# Altium PCB IRVT-001.PcbDoc (part 2 of 4)
Units mm, origin at the board's own origin, x right, y up, seen from the top; angles counter-clockwise.
Board outline 180 x 180 mm, 4 copper layers (Top Layer, Ground Plane, Power & Signal, Bottom Layer), stack 1.397 mm thick; 910 components, 520 nets, 2483 pads, 116 vias.
Unrouted connection lines stored in the file: 1841.
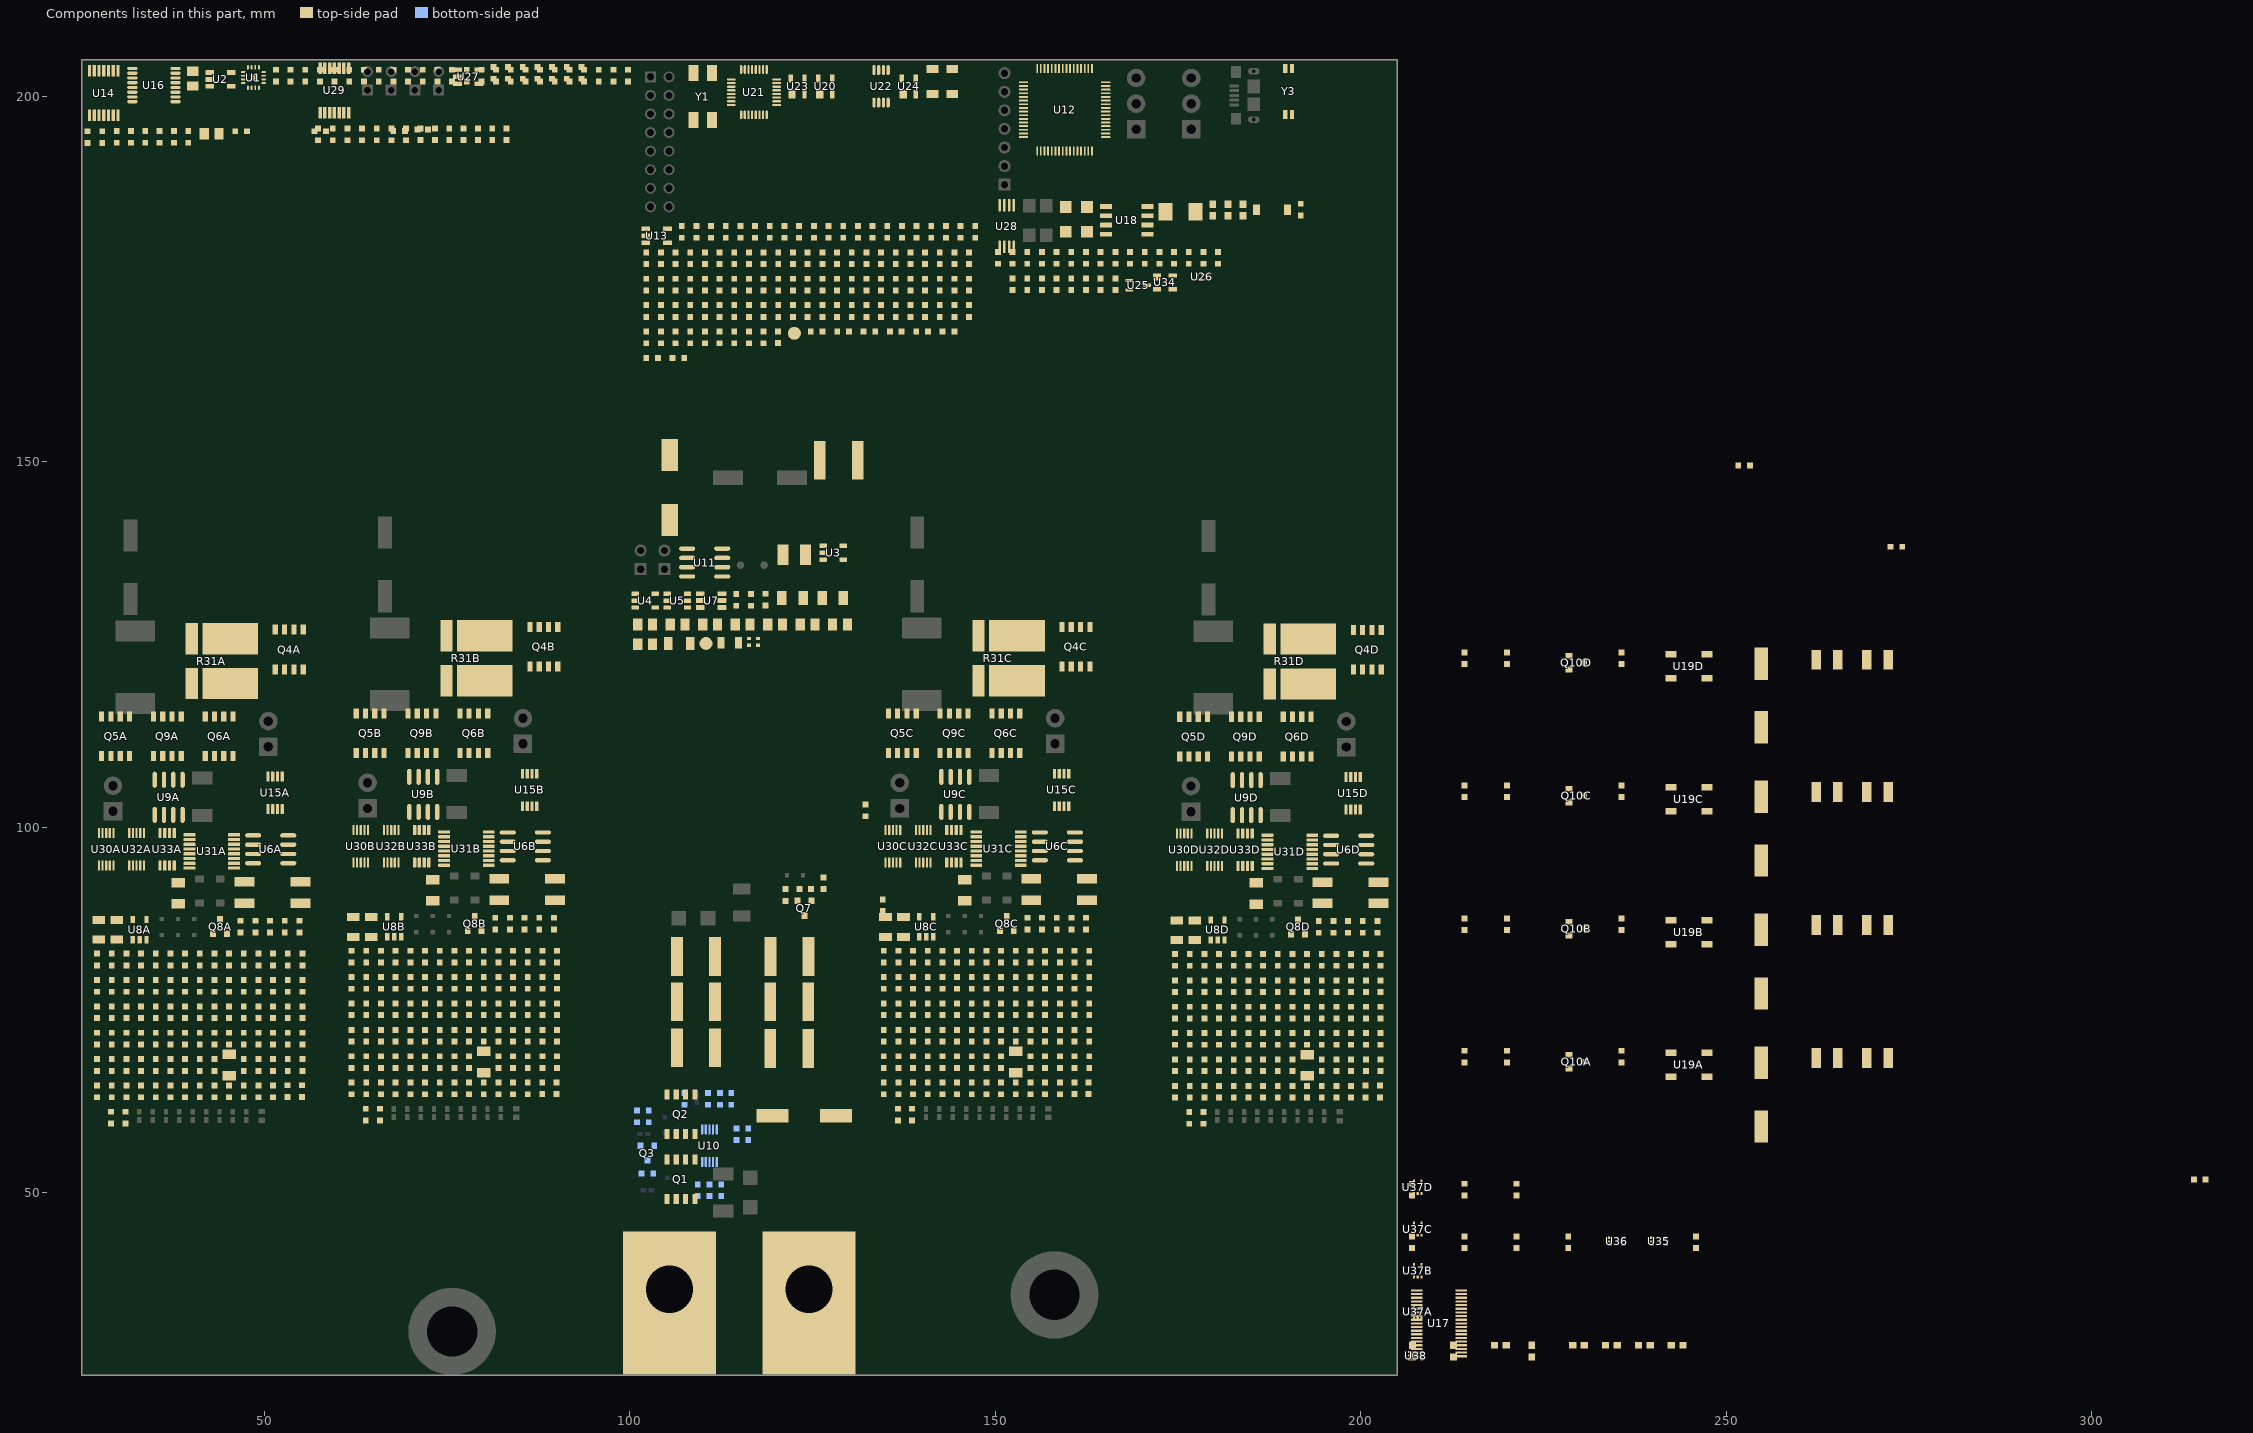
[diagram p3: the components of this part, seen from the top]

## Components (designator, comment, footprint, x,y, rotation, side; value= is the part's Value field where it differs from the comment) (continued)
Q5D "CSD16570Q5B" DNK8 177.139,112.382 r90 top value=25V (schematic designator Q5)
Q6A "CSD18502Q5B" DNK8 43.815,112.427 r90 top value=40V (schematic designator Q6)
Q6B "CSD18502Q5B" DNK8 78.651,112.827 r90 top value=40V (schematic designator Q6)
Q6C "CSD18502Q5B" DNK8 151.451,112.827 r90 top value=40V (schematic designator Q6)
Q6D "CSD18502Q5B" DNK8 191.311,112.382 r90 top value=40V (schematic designator Q6)
Q7 "2N7002-7-F" DIOD-SOT23-3_V 123.901,88.906 r270 top
Q8A "MMBT2222ALT1G" ONSC-SOT-23-3-318-08_V 43.94,86.392 r90 top (schematic designator Q8)
Q8B "MMBT2222ALT1G" ONSC-SOT-23-3-318-08_V 78.776,86.792 r90 top (schematic designator Q8)
Q8C "MMBT2222ALT1G" ONSC-SOT-23-3-318-08_V 151.576,86.792 r90 top (schematic designator Q8)
Q8D "MMBT2222ALT1G" ONSC-SOT-23-3-318-08_V 191.436,86.346 r90 top (schematic designator Q8)
Q9A "CSD18502Q5B" DNK8 36.729,112.427 r90 top value=40V (schematic designator Q9)
Q9B "CSD18502Q5B" DNK8 71.565,112.827 r90 top value=40V (schematic designator Q9)
Q9C "CSD18502Q5B" DNK8 144.365,112.827 r90 top value=40V (schematic designator Q9)
Q9D "CSD18502Q5B" DNK8 184.225,112.382 r90 top value=40V (schematic designator Q9)
Q10A "2N7002-7-F" DIOD-SOT23-3_V 229.5,67.9 r0 top (schematic designator Q10)
Q10B "2N7002-7-F" DIOD-SOT23-3_V 229.5,86.1 r0 top (schematic designator Q10)
Q10C "2N7002-7-F" DIOD-SOT23-3_V 229.5,104.3 r0 top (schematic designator Q10)
Q10D "2N7002-7-F" DIOD-SOT23-3_V 229.5,122.5 r0 top (schematic designator Q10)
R1 "Resistor" 0603R 136.388,167.802 r0 top value=100
R2 "Resistor" 0603R 132.78,167.802 r0 top value=100
R3 "Resistor" 0603R 129.172,167.802 r0 top value=0
R4 "Resistor" 0603R 68.436,195.237 r0 top value=0.51
R5 "Resistor" 0603R 139.996,167.802 r0 top value=100
R6 "Resistor" 0603R 106.653,164.194 r0 top value=100
R7A "RC0603FR-0710KL" 0603R 235.7,68.6 r90 top value=10.0k (schematic designator R7)
R7B "RC0603FR-0710KL" 0603R 235.7,86.7 r90 top value=10.0k (schematic designator R7)
R7C "RC0603FR-0710KL" 0603R 235.7,104.9 r90 top value=10.0k (schematic designator R7)
R7D "RC0603FR-0710KL" 0603R 235.7,123.1 r90 top value=10.0k (schematic designator R7)
R8A "Resistor" 0603R 214.2,68.6 r90 top value=100k (schematic designator R8)
R8B "Resistor" 0603R 214.2,86.7 r90 top value=100k (schematic designator R8)
R8C "Resistor" 0603R 214.2,104.9 r90 top value=100k (schematic designator R8)
R8D "Resistor" 0603R 214.2,123.1 r90 top value=100k (schematic designator R8)
R10 "ERJ-3EKF1001V" 0603R 118.547,131.115 r90 top value=1.00k
R12 "RC0603FR-071K5L" 0603R 112.285,174.218 r90 top value=1.50k
R13 "Resistor" 0603R 114.293,174.218 r90 top value=100
R14 "Resistor" 0603R 29.795,194.437 r90 top value=100k
R15 "Resistor" 0603R 35.669,194.437 r90 top value=100k
R16 "RC0603FR-0710KL" 0603R 101.801,59.606 r0 bottom value=10.0k
R17 "Resistor" 0603R 102.401,52.606 r180 bottom value=1.00k
R18 "Resistor" 0603R 124.001,91.506 r180 top value=1.00k
R19 "RC0603FR-0710KL" 0603R 121.301,90.706 r270 top value=10.0k
R20 "Resistor" 0603R 134.373,174.218 r90 top value=100
R21 "RC0603FR-0710KL" 0603R 107.501,62.805 r270 bottom value=10.0k
R22 "RC0603FR-0710KL" 0603R 109.301,50.306 r90 bottom value=10.0k
R23 "RC0603FR-0762KL" 0603R 113.881,62.805 r90 bottom value=62.0k
R24A "RC0603FR-07499RL" 0603R 33.128,74.666 r90 top value=499 (schematic designator R24)
R24B "RC0603FR-07499RL" 0603R 67.964,75.066 r90 top value=499 (schematic designator R24)
R24C "RC0603FR-07499RL" 0603R 140.764,75.066 r90 top value=499 (schematic designator R24)
R24D "RC0603FR-07499RL" 0603R 180.624,74.621 r90 top value=499 (schematic designator R24)
R25 "RC0603FR-0754K9L" 0603R 115.4,58.766 r0 bottom value=54.9k
R26 "RC0603JR-070RL" 0603R 110.901,50.306 r90 bottom value=0
R27 "RC0603FR-0710KL" 0603R 112.321,62.805 r90 bottom value=10.0k
R28A "Resistor" 0603R 53.183,63.867 r90 top value=0 (schematic designator R28)
R28B "Resistor" 0603R 88.019,64.267 r90 top value=0 (schematic designator R28)
R28C "Resistor" 0603R 160.819,64.267 r90 top value=0 (schematic designator R28)
R28D "Resistor" 0603R 200.679,63.822 r90 top value=0 (schematic designator R28)
R29A "RC1206FR-0710RL" 1206L 27.331,85.942 r90 top value=10.0 (schematic designator R29)
R29B "RC1206FR-0710RL" 1206L 62.167,86.342 r90 top value=10.0 (schematic designator R29)
R29C "RC1206FR-0710RL" 1206L 134.967,86.342 r90 top value=10.0 (schematic designator R29)
R29D "RC1206FR-0710RL" 1206L 174.827,85.896 r90 top value=10.0 (schematic designator R29)
R30 "RC0603FR-0710KL" 0603R 115.4,57.206 r0 bottom value=10.0k
R31A "WSL36372L000FEA" WSL3637_0.001 44.185,122.701 r90 top value=0.002 (schematic designator R31)
R31B "WSL36372L000FEA" WSL3637_0.001 79.021,123.101 r90 top value=0.002 (schematic designator R31)
R31C "WSL36372L000FEA" WSL3637_0.001 151.821,123.101 r90 top value=0.002 (schematic designator R31)
R31D "WSL36372L000FEA" WSL3637_0.001 191.681,122.656 r90 top value=0.002 (schematic designator R31)
R32A "RC0603FR-0710RL" 0603R 51.2,67.45 r90 top value=10.0 (schematic designator R32)
R32B "RC0603FR-0710RL" 0603R 86.036,67.85 r90 top value=10.0 (schematic designator R32)
R32C "RC0603FR-0710RL" 0603R 158.836,67.85 r90 top value=10.0 (schematic designator R32)
R32D "RC0603FR-0710RL" 0603R 198.696,67.405 r90 top value=10.0 (schematic designator R32)
R33A "RC0603FR-0710RL" 0603R 55.216,67.45 r90 top value=10.0 (schematic designator R33)
R33B "RC0603FR-0710RL" 0603R 90.052,67.85 r90 top value=10.0 (schematic designator R33)
R33C "RC0603FR-0710RL" 0603R 162.852,67.85 r90 top value=10.0 (schematic designator R33)
R33D "RC0603FR-0710RL" 0603R 202.712,67.405 r90 top value=10.0 (schematic designator R33)
R34A "RC0603FR-0710KL" 0603R 29.112,63.842 r90 top value=10.0k (schematic designator R34)
R34B "RC0603FR-0710KL" 0603R 63.948,64.242 r90 top value=10.0k (schematic designator R34)
R34C "RC0603FR-0710KL" 0603R 136.748,64.242 r90 top value=10.0k (schematic designator R34)
R34D "RC0603FR-0710KL" 0603R 176.608,63.797 r90 top value=10.0k (schematic designator R34)
R35A "ERJ-8ENF10R0V" 1206 45.176,67.45 r90 top value=0 (schematic designator R35)
R35B "ERJ-8ENF10R0V" 1206 80.012,67.85 r90 top value=0 (schematic designator R35)
R35C "ERJ-8ENF10R0V" 1206 152.812,67.85 r90 top value=0 (schematic designator R35)
R35D "ERJ-8ENF10R0V" 1206 192.672,67.405 r90 top value=0 (schematic designator R35)
R36A "Resistor" 0603R 55.141,63.867 r90 top value=1.00k (schematic designator R36)
R36B "Resistor" 0603R 89.977,64.267 r90 top value=1.00k (schematic designator R36)
R36C "Resistor" 0603R 162.777,64.267 r90 top value=1.00k (schematic designator R36)
R36D "Resistor" 0603R 202.637,63.822 r90 top value=1.00k (schematic designator R36)
R37A "Resistor" 0603R 41.16,71.058 r90 top value=0 (schematic designator R37)
R37B "Resistor" 0603R 75.996,71.458 r90 top value=0 (schematic designator R37)
R37C "Resistor" 0603R 148.796,71.458 r90 top value=0 (schematic designator R37)
R37D "Resistor" 0603R 188.656,71.013 r90 top value=0 (schematic designator R37)
R38A "RC0603FR-0710RL" 0603R 53.208,67.45 r90 top value=10.0 (schematic designator R38)
R38B "RC0603FR-0710RL" 0603R 88.044,67.85 r90 top value=10.0 (schematic designator R38)
R38C "RC0603FR-0710RL" 0603R 160.844,67.85 r90 top value=10.0 (schematic designator R38)
R38D "RC0603FR-0710RL" 0603R 200.704,67.405 r90 top value=10.0 (schematic designator R38)
R39A "RC0603FR-0710KL" 0603R 27.104,63.842 r90 top value=10.0k (schematic designator R39)
R39B "RC0603FR-0710KL" 0603R 61.94,64.242 r90 top value=10.0k (schematic designator R39)
R39C "RC0603FR-0710KL" 0603R 134.74,64.242 r90 top value=10.0k (schematic designator R39)
R39D "RC0603FR-0710KL" 0603R 174.6,63.797 r90 top value=10.0k (schematic designator R39)
R40 "Resistor" 0603R 120.317,174.218 r90 top value=49.9
R41 "RC0603FR-071K5L" 0603R 118.309,174.218 r90 top value=1.50k
R42A "RC0603FR-0710KL" 0603R 43.168,67.45 r90 top value=10.0k (schematic designator R42)
R42B "RC0603FR-0710KL" 0603R 78.004,67.85 r90 top value=10.0k (schematic designator R42)
R42C "RC0603FR-0710KL" 0603R 150.804,67.85 r90 top value=10.0k (schematic designator R42)
R42D "RC0603FR-0710KL" 0603R 190.664,67.405 r90 top value=10.0k (schematic designator R42)
R43A "CRCW060347R0JNEA" 0603R 41.16,67.45 r90 top value=47 (schematic designator R43)
R43B "CRCW060347R0JNEA" 0603R 75.996,67.85 r90 top value=47 (schematic designator R43)
R43C "CRCW060347R0JNEA" 0603R 148.796,67.85 r90 top value=47 (schematic designator R43)
R43D "CRCW060347R0JNEA" 0603R 188.656,67.405 r90 top value=47 (schematic designator R43)
R44A "RC0603FR-0710KL" 0603R 49.192,67.45 r90 top value=10.0k (schematic designator R44)
R44B "RC0603FR-0710KL" 0603R 84.028,67.85 r90 top value=10.0k (schematic designator R44)
R44C "RC0603FR-0710KL" 0603R 156.828,67.85 r90 top value=10.0k (schematic designator R44)
R44D "RC0603FR-0710KL" 0603R 196.688,67.405 r90 top value=10.0k (schematic designator R44)
R45 "RC0603FR-072K2L" 0603R 93.387,203.186 r90 top value=2.20k
R46 "Resistor" 0603R 116.301,174.218 r90 top value=100
R47 "RC0603FR-0710KL" 0603R 57.353,194.775 r90 top value=10.0k
R48 "RC0603FR-071K5L" 0603R 126.341,174.218 r90 top value=1.50k
R49 "Resistor" 0603R 124.333,174.218 r90 top value=49.9
R50 "Resistor" 0603R 122.325,174.218 r90 top value=100k
R51 "Resistor" 0603R 110.277,170.61 r90 top value=100
R52 "RC0603FR-071K5L" 0603R 108.269,170.61 r90 top value=1.50k
R53 "RC0603FR-071K5L" 0603R 106.261,170.61 r90 top value=1.50k
R54 "Resistor" 0603R 114.293,170.61 r90 top value=49.9
R55 "RC0603FR-073K3L" 0603R 112.285,170.61 r90 top value=3.30k
R56 "RC0603FR-073K3L" 0603R 144.413,174.218 r90 top value=3.30k
R57 "Resistor" 0603R 142.405,174.218 r90 top value=49.9
R58 "Resistor" 0603R 104.253,170.61 r90 top value=100k
R59 "RC0603FR-071K5L" 0603R 102.245,170.61 r90 top value=1.50k
R60A "Resistor" 0603R 39.152,71.058 r90 top value=499 (schematic designator R60)
R60B "Resistor" 0603R 73.988,71.458 r90 top value=499 (schematic designator R60)
R60C "Resistor" 0603R 146.788,71.458 r90 top value=499 (schematic designator R60)
R60D "Resistor" 0603R 186.648,71.013 r90 top value=499 (schematic designator R60)
R61A "Resistor" 0603R 45.176,71.058 r90 top value=499 (schematic designator R61)
R61B "Resistor" 0603R 80.012,71.458 r90 top value=499 (schematic designator R61)
R61C "Resistor" 0603R 152.812,71.458 r90 top value=499 (schematic designator R61)
R61D "Resistor" 0603R 192.672,71.013 r90 top value=499 (schematic designator R61)
R62 "412K 1% 0402(1005)" RESC0402(1005)_L 117.568,125.338 r90 top value="412000.00 Ohm"
R63 "200K 1% 0402(1005)" RESC0402(1005)_L 116.307,125.338 r90 top value="200000.00 Ohm"
R64A "RC0603FR-0710KL" 0603R 47.184,67.45 r90 top value=10.0k (schematic designator R64)
R64B "RC0603FR-0710KL" 0603R 82.02,67.85 r90 top value=10.0k (schematic designator R64)
R64C "RC0603FR-0710KL" 0603R 154.82,67.85 r90 top value=10.0k (schematic designator R64)
R64D "RC0603FR-0710KL" 0603R 194.68,67.405 r90 top value=10.0k (schematic designator R64)
R65A "RC0603FR-0710KL" 0603R 31.12,63.842 r90 top value=10.0k (schematic designator R65)
R65B "RC0603FR-0710KL" 0603R 65.956,64.242 r90 top value=10.0k (schematic designator R65)
R65C "RC0603FR-0710KL" 0603R 138.756,64.242 r90 top value=10.0k (schematic designator R65)
R65D "RC0603FR-0710KL" 0603R 178.616,63.797 r90 top value=10.0k (schematic designator R65)
R66A "RC0603FR-0710KL" 0603R 45.176,63.842 r90 top value=10.0k (schematic designator R66)
R66B "RC0603FR-0710KL" 0603R 80.012,64.242 r90 top value=10.0k (schematic designator R66)
R66C "RC0603FR-0710KL" 0603R 152.812,64.242 r90 top value=10.0k (schematic designator R66)
R66D "RC0603FR-0710KL" 0603R 192.672,63.797 r90 top value=10.0k (schematic designator R66)
R67A "RC0603FR-0710KL" 0603R 43.168,63.842 r90 top value=10.0k (schematic designator R67)
R67B "RC0603FR-0710KL" 0603R 78.004,64.242 r90 top value=10.0k (schematic designator R67)
R67C "RC0603FR-0710KL" 0603R 150.804,64.242 r90 top value=10.0k (schematic designator R67)
R67D "RC0603FR-0710KL" 0603R 190.664,63.797 r90 top value=10.0k (schematic designator R67)
R68 "Resistor" 0603R 146.421,174.218 r90 top value=100
R69 "Resistor" 0603R 140.397,174.218 r90 top value=100
R70 "Resistor" 0603R 116.301,170.61 r90 top value=100k
R71 "Resistor" 0603R 136.381,174.218 r90 top value=100k
R72 "Resistor" 0603R 138.389,174.218 r90 top value=100
R73 "Resistor" 0603R 128.349,174.218 r90 top value=100
R74A "RC0603FR-0710KL" 0603R 47.184,63.842 r90 top value=10.0k (schematic designator R74)
R74B "RC0603FR-0710KL" 0603R 82.02,64.242 r90 top value=10.0k (schematic designator R74)
R74C "RC0603FR-0710KL" 0603R 154.82,64.242 r90 top value=10.0k (schematic designator R74)
R74D "RC0603FR-0710KL" 0603R 194.68,63.797 r90 top value=10.0k (schematic designator R74)
R75A "RC0603FR-0710KL" 0603R 51.2,63.842 r90 top value=10.0k (schematic designator R75)
R75B "RC0603FR-0710KL" 0603R 86.036,64.242 r90 top value=10.0k (schematic designator R75)
R75C "RC0603FR-0710KL" 0603R 158.836,64.242 r90 top value=10.0k (schematic designator R75)
R75D "RC0603FR-0710KL" 0603R 198.696,63.797 r90 top value=10.0k (schematic designator R75)
R76 "Resistor" 0603R 37.627,194.437 r90 top value=100k
R77A "RC0603FR-0710KL" 0603R 49.192,63.842 r90 top value=10.0k (schematic designator R77)
R77B "RC0603FR-0710KL" 0603R 84.028,64.242 r90 top value=10.0k (schematic designator R77)
R77C "RC0603FR-0710KL" 0603R 156.828,64.242 r90 top value=10.0k (schematic designator R77)
R77D "RC0603FR-0710KL" 0603R 196.688,63.797 r90 top value=10.0k (schematic designator R77)
R78 "Resistor" 0603R 31.753,194.437 r90 top value=100k
R79 "Resistor" 0603R 33.711,194.437 r90 top value=0
R80 "Resistor" 0603R 39.585,194.437 r90 top value=0
R81 "RC0603FR-0710KL" 0603R 77.688,202.823 r90 top value=10.0k
R82 "RC0603FR-0710KL" 0603R 79.696,202.823 r90 top value=10.0k
R83 "RC0603FR-0710KL" 0603R 81.704,202.823 r90 top value=10.0k
R84 "RC0603FR-0710KL" 0603R 75.68,202.823 r90 top value=10.0k
R85 "RC0603FR-0710KL" 0603R 69.656,202.823 r90 top value=10.0k
R86A "RC0603FR-0710KL" 0603R 35.136,63.842 r90 top value=10.0k (schematic designator R86)
R86B "RC0603FR-0710KL" 0603R 69.972,64.242 r90 top value=10.0k (schematic designator R86)
R86C "RC0603FR-0710KL" 0603R 142.772,64.242 r90 top value=10.0k (schematic designator R86)
R86D "RC0603FR-0710KL" 0603R 182.632,63.797 r90 top value=10.0k (schematic designator R86)
R87A "RC0603FR-0710RL" 0603R 33.128,63.842 r90 top value=10.0 (schematic designator R87)
R87B "RC0603FR-0710RL" 0603R 67.964,64.242 r90 top value=10.0 (schematic designator R87)
R87C "RC0603FR-0710RL" 0603R 140.764,64.242 r90 top value=10.0 (schematic designator R87)
R87D "RC0603FR-0710RL" 0603R 180.624,63.797 r90 top value=10.0 (schematic designator R87)
R88A "RC0603FR-071KL" 0603R 37.144,63.842 r90 top value=1.00k (schematic designator R88)
R88B "RC0603FR-071KL" 0603R 71.98,64.242 r90 top value=1.00k (schematic designator R88)
R88C "RC0603FR-071KL" 0603R 144.78,64.242 r90 top value=1.00k (schematic designator R88)
R88D "RC0603FR-071KL" 0603R 184.64,63.797 r90 top value=1.00k (schematic designator R88)
R89A "RC0603FR-0710KL" 0603R 41.16,63.842 r90 top value=10.0k (schematic designator R89)
R89B "RC0603FR-0710KL" 0603R 75.996,64.242 r90 top value=10.0k (schematic designator R89)
R89C "RC0603FR-0710KL" 0603R 148.796,64.242 r90 top value=10.0k (schematic designator R89)
R89D "RC0603FR-0710KL" 0603R 188.656,63.797 r90 top value=10.0k (schematic designator R89)
R90A "RC0603FR-0710KL" 0603R 39.152,63.842 r90 top value=10.0k (schematic designator R90)
R90B "RC0603FR-0710KL" 0603R 73.988,64.242 r90 top value=10.0k (schematic designator R90)
R90C "RC0603FR-0710KL" 0603R 146.788,64.242 r90 top value=10.0k (schematic designator R90)
R90D "RC0603FR-0710KL" 0603R 186.648,63.797 r90 top value=10.0k (schematic designator R90)
R91 "Resistor" 0603R 77.258,194.8 r90 top value=1.00k
R92A "RC0603FR-071KL" 0603R 39.152,67.45 r90 top value=1.00k (schematic designator R92)
R92B "RC0603FR-071KL" 0603R 73.988,67.85 r90 top value=1.00k (schematic designator R92)
R92C "RC0603FR-071KL" 0603R 146.788,67.85 r90 top value=1.00k (schematic designator R92)
R92D "RC0603FR-071KL" 0603R 186.648,67.405 r90 top value=1.00k (schematic designator R92)
R93A "RC0603FR-0710KL" 0603R 29.112,71.058 r90 top value=10.0k (schematic designator R93)
R93B "RC0603FR-0710KL" 0603R 63.948,71.458 r90 top value=10.0k (schematic designator R93)
R93C "RC0603FR-0710KL" 0603R 136.748,71.458 r90 top value=10.0k (schematic designator R93)
R93D "RC0603FR-0710KL" 0603R 176.608,71.013 r90 top value=10.0k (schematic designator R93)
R94A "RC0603FR-0710KL" 0603R 27.104,71.058 r90 top value=10.0k (schematic designator R94)
R94B "RC0603FR-0710KL" 0603R 61.94,71.458 r90 top value=10.0k (schematic designator R94)
R94C "RC0603FR-0710KL" 0603R 134.74,71.458 r90 top value=10.0k (schematic designator R94)
R94D "RC0603FR-0710KL" 0603R 174.6,71.013 r90 top value=10.0k (schematic designator R94)
R95A "RC0603FR-071KL" 0603R 55.216,74.666 r90 top value=1.00k (schematic designator R95)
R95B "RC0603FR-071KL" 0603R 90.052,75.066 r90 top value=1.00k (schematic designator R95)
R95C "RC0603FR-071KL" 0603R 162.852,75.066 r90 top value=1.00k (schematic designator R95)
R95D "RC0603FR-071KL" 0603R 202.712,74.621 r90 top value=1.00k (schematic designator R95)
R96A "RC0603FR-071KL" 0603R 31.12,71.058 r90 top value=1.00k (schematic designator R96)
R96B "RC0603FR-071KL" 0603R 65.956,71.458 r90 top value=1.00k (schematic designator R96)
R96C "RC0603FR-071KL" 0603R 138.756,71.458 r90 top value=1.00k (schematic designator R96)
R96D "RC0603FR-071KL" 0603R 178.616,71.013 r90 top value=1.00k (schematic designator R96)
R97 "RC0603FR-0710KL" 0603R 71.664,202.823 r90 top value=10.0k
R98 "RC0603FR-0710KL" 0603R 73.672,202.823 r90 top value=10.0k
R99 "RC0603FR-0710KL" 0603R 27.812,194.412 r90 top value=10.0k
R100A "RC0603FR-0710KL" 0603R 37.144,71.058 r90 top value=10.0k (schematic designator R100)
R100B "RC0603FR-0710KL" 0603R 71.98,71.458 r90 top value=10.0k (schematic designator R100)
R100C "RC0603FR-0710KL" 0603R 144.78,71.458 r90 top value=10.0k (schematic designator R100)
R100D "RC0603FR-0710KL" 0603R 184.64,71.013 r90 top value=10.0k (schematic designator R100)
R101A "RC0603FR-07330RL" 0603R 35.136,71.058 r90 top value=330 (schematic designator R101)
R101B "RC0603FR-07330RL" 0603R 69.972,71.458 r90 top value=330 (schematic designator R101)
R101C "RC0603FR-07330RL" 0603R 142.772,71.458 r90 top value=330 (schematic designator R101)
R101D "RC0603FR-07330RL" 0603R 182.632,71.013 r90 top value=330 (schematic designator R101)
R102A "CRCW0603499RFKEA" 0603R 35.136,74.666 r90 top value=499 (schematic designator R102)
R102B "CRCW0603499RFKEA" 0603R 69.972,75.066 r90 top value=499 (schematic designator R102)
R102C "CRCW0603499RFKEA" 0603R 142.772,75.066 r90 top value=499 (schematic designator R102)
R102D "CRCW0603499RFKEA" 0603R 182.632,74.621 r90 top value=499 (schematic designator R102)
R103A "RC0603FR-0710KL" 0603R 33.128,71.058 r90 top value=10.0k (schematic designator R103)
R103B "RC0603FR-0710KL" 0603R 67.964,71.458 r90 top value=10.0k (schematic designator R103)
R103C "RC0603FR-0710KL" 0603R 140.764,71.458 r90 top value=10.0k (schematic designator R103)
R103D "RC0603FR-0710KL" 0603R 180.624,71.013 r90 top value=10.0k (schematic designator R103)
R104A "CRCW0603499RFKEA" 0603R 37.144,74.666 r90 top value=499 (schematic designator R104)
R104B "CRCW0603499RFKEA" 0603R 71.98,75.066 r90 top value=499 (schematic designator R104)
R104C "CRCW0603499RFKEA" 0603R 144.78,75.066 r90 top value=499 (schematic designator R104)
R104D "CRCW0603499RFKEA" 0603R 184.64,74.621 r90 top value=499 (schematic designator R104)
R105 "RC0603FR-0710KL" 0603R 89.371,203.186 r90 top value=10.0k
R106 "RC0603FR-072K2L" 0603R 91.379,203.186 r90 top value=2.20k
R107 "Resistor" 0603R 73.342,194.8 r90 top value=1.00k
R108 "RC0603FR-072K2L" 0603R 65.385,194.775 r90 top value=2.20k
R109 "RC0603FR-0710KL" 0603R 95.76,202.823 r90 top value=10.0k
R110A "RC0603FR-0714KL" 0603R 53.208,74.666 r90 top value=14.0k (schematic designator R110)
R110B "RC0603FR-0714KL" 0603R 88.044,75.066 r90 top value=14.0k (schematic designator R110)
R110C "RC0603FR-0714KL" 0603R 160.844,75.066 r90 top value=14.0k (schematic designator R110)
R110D "RC0603FR-0714KL" 0603R 200.704,74.621 r90 top value=14.0k (schematic designator R110)
R111 "RC0603FR-071K5L" 0603R 108.269,174.218 r90 top value=1.50k
R112 "RC0603FR-071K5L" 0603R 110.277,174.218 r90 top value=1.50k
R113 "Resistor" 0603R 136.381,170.61 r90 top value=49.9
R114 "RC0603FR-071K5L" 0603R 134.373,170.61 r90 top value=1.50k
R115 "Resistor" 0603R 132.365,170.61 r90 top value=49.9
R116 "Resistor" 0603R 142.405,170.61 r90 top value=100k
R117 "RC0603FR-071K5L" 0603R 140.397,170.61 r90 top value=1.50k
R118 "Resistor" 0603R 138.389,170.61 r90 top value=100
R119 "Resistor" 0603R 124.333,170.61 r90 top value=100
R120 "Resistor" 0603R 122.325,170.61 r90 top value=499
R121 "Resistor" 0603R 120.317,170.61 r90 top value=100k
R122 "Resistor" 0603R 130.357,170.61 r90 top value=100k
R123 "Resistor" 0603R 128.349,170.61 r90 top value=100k
R124 "RC0603FR-071K5L" 0603R 126.341,170.61 r90 top value=1.50k
R125 "Resistor" 0603R 110.277,167.002 r90 top value=100
R126 "RC0603FR-073K3L" 0603R 114.293,167.002 r90 top value=3.30k
R127 "Resistor" 0603R 112.285,167.002 r90 top value=100
R128 "Resistor" 0603R 118.309,167.002 r90 top value=49.9
R129 "RC0603FR-073K3L" 0603R 116.301,167.002 r90 top value=3.30k
R130 "Resistor" 0603R 108.269,167.002 r90 top value=49.9
R131 "Resistor" 0603R 146.421,170.61 r90 top value=100k
R132 "RC0603FR-071K5L" 0603R 144.413,170.61 r90 top value=1.50k
R133 "Resistor" 0603R 102.245,167.002 r90 top value=0
R134 "Resistor" 0603R 106.261,167.002 r90 top value=1.00
R135 "Resistor" 0603R 104.253,167.002 r90 top value=0
R136 "Resistor" 0603R 118.309,170.61 r90 top value=0
R137 "Resistor" 0603R 132.365,174.218 r90 top value=1.00Meg
R138 "Resistor" 0603R 130.357,174.218 r90 top value=1.00k
R139 "RC0603FR-072K2L" 0603R 67.393,194.775 r90 top value=2.20k
R140 "Resistor" 0603R 71.384,194.8 r90 top value=1.00k
R141 "RC0603FR-072K2L" 0603R 69.401,194.775 r90 top value=2.20k
R142 "Resistor" 0603R 75.3,194.8 r90 top value=1.00k
R143 "RC0603FR-072K2L" 0603R 59.361,194.775 r90 top value=2.20k
R144 "RC0603FR-072K2L" 0603R 61.369,194.775 r90 top value=2.20k
R145 "RC0603FR-072K2L" 0603R 63.377,194.775 r90 top value=2.20k
R146 "RC0603FR-0710KL" 0603R 97.768,202.823 r90 top value=10.0k
R147 "Resistor" 0603R 214.2,50.4 r90 top value=0
R148 "CRCW120660R4FKEA" 1206R 162.542,183.136 r90 top value=60.4
R149 "CRCW06031K00FKEA" 0603R 162.413,174.267 r90 top value=1.00k
R150 "CRCW120660R4FKEA" 1206R 159.634,183.136 r90 top value=60.4
R151 "CRCW060310K0FKEA" 0603R 160.405,174.267 r90 top value=10.0k
R152 "CRCW060310K0FKEA" 0603R 166.429,174.267 r90 top value=10.0k
R153 "RC0603FR-0710KL" 0603R 99.776,202.823 r90 top value=10.0k
R154 "RC0603FR-0710KL" 0603R 25.804,194.412 r90 top value=10.0k
R155A "RC0603FR-0710RL" 0603R 43.168,74.666 r90 top value=10.0 (schematic designator R155)
R155B "RC0603FR-0710RL" 0603R 78.004,75.066 r90 top value=10.0 (schematic designator R155)
R155C "RC0603FR-0710RL" 0603R 150.804,75.066 r90 top value=10.0 (schematic designator R155)
R155D "RC0603FR-0710RL" 0603R 190.664,74.621 r90 top value=10.0 (schematic designator R155)
R156 "RC0603FR-0710KL" 0603R 93.752,202.823 r90 top value=10.0k
R157A "Resistor" 0603R 51.2,71.058 r90 top value=100 (schematic designator R157)
R157B "Resistor" 0603R 86.036,71.458 r90 top value=100 (schematic designator R157)
R157C "Resistor" 0603R 158.836,71.458 r90 top value=100 (schematic designator R157)
R157D "Resistor" 0603R 198.696,71.013 r90 top value=100 (schematic designator R157)
R158A "RC0603JR-070RL" 0603R 41.16,74.666 r90 top value=0 (schematic designator R158)
R158B "RC0603JR-070RL" 0603R 75.996,75.066 r90 top value=0 (schematic designator R158)
R158C "RC0603JR-070RL" 0603R 148.796,75.066 r90 top value=0 (schematic designator R158)
R158D "RC0603JR-070RL" 0603R 188.656,74.621 r90 top value=0 (schematic designator R158)
R159A "Resistor" 0603R 49.192,71.058 r90 top value=100 (schematic designator R159)
R159B "Resistor" 0603R 84.028,71.458 r90 top value=100 (schematic designator R159)
R159C "Resistor" 0603R 156.828,71.458 r90 top value=100 (schematic designator R159)
R159D "Resistor" 0603R 196.688,71.013 r90 top value=100 (schematic designator R159)
R160 "RC0603FR-0710KL" 0603R 85.72,202.823 r90 top value=10.0k
R161 "RC0603FR-0710KL" 0603R 83.712,202.823 r90 top value=10.0k
R162 "RC0603FR-0710KL" 0603R 87.728,202.823 r90 top value=10.0k
R163A "Resistor" 0603R 47.184,71.058 r90 top value=0 (schematic designator R163)
R163B "Resistor" 0603R 82.02,71.458 r90 top value=0 (schematic designator R163)
R163C "Resistor" 0603R 154.82,71.458 r90 top value=0 (schematic designator R163)
R163D "Resistor" 0603R 194.68,71.013 r90 top value=0 (schematic designator R163)
R164 "ERJ-8ENF10R0V" 1206 127.754,131.341 r0 top value=0
R165 "ERJ-8ENF10R0V" 1206 122.268,131.341 r0 top value=0
R166A "RC0603FR-0710KL" 0603R 39.152,74.666 r90 top value=10.0k (schematic designator R166)
R166B "RC0603FR-0710KL" 0603R 73.988,75.066 r90 top value=10.0k (schematic designator R166)
R166C "RC0603FR-0710KL" 0603R 146.788,75.066 r90 top value=10.0k (schematic designator R166)
R166D "RC0603FR-0710KL" 0603R 186.648,74.621 r90 top value=10.0k (schematic designator R166)
R167A "RC0603FR-0710KL" 0603R 45.176,74.666 r90 top value=10.0k (schematic designator R167)
R167B "RC0603FR-0710KL" 0603R 80.012,75.066 r90 top value=10.0k (schematic designator R167)
R167C "RC0603FR-0710KL" 0603R 152.812,75.066 r90 top value=10.0k (schematic designator R167)
R167D "RC0603FR-0710KL" 0603R 192.672,74.621 r90 top value=10.0k (schematic designator R167)
R168 "CRCW060351R0JNEA" 0603R 164.421,174.267 r90 top value=51
R169 "CRCW06032K00FKEA" 0603R 154.381,174.267 r90 top value=2.00k
R170 "CRCW060310K0FKEA" 0603R 152.373,174.267 r90 top value=10.0k
R171 "CRCW06031M00FKEA" 0603R 158.397,174.267 r90 top value=1.00Meg
R172 "CRCW0603100RFKEA" 0603R 156.389,174.267 r90 top value=100
R173A "RC0603FR-071KL" 0603R 51.2,74.666 r90 top value=1.00k (schematic designator R173)
R173B "RC0603FR-071KL" 0603R 86.036,75.066 r90 top value=1.00k (schematic designator R173)
R173C "RC0603FR-071KL" 0603R 158.836,75.066 r90 top value=1.00k (schematic designator R173)
R173D "RC0603FR-071KL" 0603R 198.696,74.621 r90 top value=1.00k (schematic designator R173)
R174A "RC0603FR-0710RL" 0603R 49.192,74.666 r90 top value=10.0 (schematic designator R174)
R174B "RC0603FR-0710RL" 0603R 84.028,75.066 r90 top value=10.0 (schematic designator R174)
R174C "RC0603FR-0710RL" 0603R 156.828,75.066 r90 top value=10.0 (schematic designator R174)
R174D "RC0603FR-0710RL" 0603R 196.688,74.621 r90 top value=10.0 (schematic designator R174)
R175A "RC0603FR-0710KL" 0603R 47.184,74.666 r90 top value=10.0k (schematic designator R175)
R175B "RC0603FR-0710KL" 0603R 82.02,75.066 r90 top value=10.0k (schematic designator R175)
R175C "RC0603FR-0710KL" 0603R 154.82,75.066 r90 top value=10.0k (schematic designator R175)
R175D "RC0603FR-0710KL" 0603R 194.68,74.621 r90 top value=10.0k (schematic designator R175)
R176A "RC0603FR-071KL" 0603R 29.112,67.45 r90 top value=1.00k (schematic designator R176)
R176B "RC0603FR-071KL" 0603R 63.948,67.85 r90 top value=1.00k (schematic designator R176)
R176C "RC0603FR-071KL" 0603R 136.748,67.85 r90 top value=1.00k (schematic designator R176)
R176D "RC0603FR-071KL" 0603R 176.608,67.405 r90 top value=1.00k (schematic designator R176)
R177A "ERJ-8ENF10R0V" 1206 38.186,90.964 r90 top value=0 (schematic designator R177)
R177B "ERJ-8ENF10R0V" 1206 73.022,91.364 r90 top value=0 (schematic designator R177)
R177C "ERJ-8ENF10R0V" 1206 145.822,91.364 r90 top value=0 (schematic designator R177)
R177D "ERJ-8ENF10R0V" 1206 185.683,90.919 r90 top value=0 (schematic designator R177)
R178A "RC0603FR-0710KL" 0603R 27.104,67.45 r90 top value=10.0k (schematic designator R178)
R178B "RC0603FR-0710KL" 0603R 61.94,67.85 r90 top value=10.0k (schematic designator R178)
R178C "RC0603FR-0710KL" 0603R 134.74,67.85 r90 top value=10.0k (schematic designator R178)
R178D "RC0603FR-0710KL" 0603R 174.6,67.405 r90 top value=10.0k (schematic designator R178)
R179A "RC0603FR-072K2L" 0603R 55.216,71.058 r90 top value=2.20k (schematic designator R179)
R179B "RC0603FR-072K2L" 0603R 90.052,71.458 r90 top value=2.20k (schematic designator R179)
R179C "RC0603FR-072K2L" 0603R 162.852,71.458 r90 top value=2.20k (schematic designator R179)
R179D "RC0603FR-072K2L" 0603R 202.712,71.013 r90 top value=2.20k (schematic designator R179)
R180A "RC0603FR-0710RL" 0603R 31.12,67.45 r90 top value=10.0 (schematic designator R180)
R180B "RC0603FR-0710RL" 0603R 65.956,67.85 r90 top value=10.0 (schematic designator R180)
R180C "RC0603FR-0710RL" 0603R 138.756,67.85 r90 top value=10.0 (schematic designator R180)
R180D "RC0603FR-0710RL" 0603R 178.616,67.405 r90 top value=10.0 (schematic designator R180)
R181A "RC0603FR-072K2L" 0603R 37.144,67.45 r90 top value=2.20k (schematic designator R181)
R181B "RC0603FR-072K2L" 0603R 71.98,67.85 r90 top value=2.20k (schematic designator R181)
R181C "RC0603FR-072K2L" 0603R 144.78,67.85 r90 top value=2.20k (schematic designator R181)
R181D "RC0603FR-072K2L" 0603R 184.64,67.405 r90 top value=2.20k (schematic designator R181)
R182A "RC0603FR-0710RL" 0603R 35.136,67.45 r90 top value=10.0 (schematic designator R182)
R182B "RC0603FR-0710RL" 0603R 69.972,67.85 r90 top value=10.0 (schematic designator R182)
R182C "RC0603FR-0710RL" 0603R 142.772,67.85 r90 top value=10.0 (schematic designator R182)
R182D "RC0603FR-0710RL" 0603R 182.632,67.405 r90 top value=10.0 (schematic designator R182)
R183A "RC0603FR-0775KL" 0603R 33.128,67.45 r90 top value=75.0k (schematic designator R183)
R183B "RC0603FR-0775KL" 0603R 67.964,67.85 r90 top value=75.0k (schematic designator R183)
R183C "RC0603FR-0775KL" 0603R 140.764,67.85 r90 top value=75.0k (schematic designator R183)
R183D "RC0603FR-0775KL" 0603R 180.624,67.405 r90 top value=75.0k (schematic designator R183)
R184A "RC0603FR-071KL" 0603R 53.208,71.058 r90 top value=1.00k (schematic designator R184)
R184B "RC0603FR-071KL" 0603R 88.044,71.458 r90 top value=1.00k (schematic designator R184)
R184C "RC0603FR-071KL" 0603R 160.844,71.458 r90 top value=1.00k (schematic designator R184)
R184D "RC0603FR-071KL" 0603R 200.704,71.013 r90 top value=1.00k (schematic designator R184)
R185A "RC0603FR-0710KL" 0603R 43.168,71.058 r90 top value=10.0k (schematic designator R185)
R185B "RC0603FR-0710KL" 0603R 78.004,71.458 r90 top value=10.0k (schematic designator R185)
R185C "RC0603FR-0710KL" 0603R 150.804,71.458 r90 top value=10.0k (schematic designator R185)
R185D "RC0603FR-0710KL" 0603R 190.664,71.013 r90 top value=10.0k (schematic designator R185)
R186 "RC0603FR-0710RL" 0603R 91.744,202.823 r90 top value=10.0
R187 "RC0603FR-0710RL" 0603R 89.736,202.823 r90 top value=10.0
R188 "Resistor" 0603R 221.3,50.4 r90 top value=0
R189 "Resistor" 0603R 207,50.4 r90 top value=0
S2 "TL1015AF160QG" SW_TL1015AF160QG 187.857,184.447 r0 top
T1 "CXS70-14-C" Panduit_CXS70-14-C 105.451,36.756 r90 top locked
T2 "CXS70-14-C" Panduit_CXS70-14-C 124.501,36.756 r90 top locked
U1 "DAC70508MRTER" RTE0016D 48.501,202.548 r90 top value=Value
U2 "TLV2711CDBVT" DBV0005A_M 43.991,202.298 r0 top
U3 "TPS70950DBVR" DBV0005A_N 127.825,137.55 r0 top
U4 "TPS70950DBVR" DBV0005A_N 102.1,130.99 r0 top
U5 "TPS560430YDBVR" DBV0006A_N 106.511,130.99 r0 top value=Value
U6A "INA828ID" D0008A_N 50.866,96.959 r0 top (schematic designator U6)
U6B "INA828ID" D0008A_N 85.702,97.359 r0 top (schematic designator U6)
U6C "INA828ID" D0008A_N 158.502,97.359 r0 top (schematic designator U6)
U6D "INA828ID" D0008A_N 198.362,96.914 r0 top (schematic designator U6)
U7 "PM-CHP-LM2664M6-6" DBV0006A_M 111.121,130.99 r0 top
U8A "TL331IDBVR" DBV0005A_N 32.926,85.967 r90 top (schematic designator U8)
U8B "TL331IDBVR" DBV0005A_N 67.762,86.367 r90 top (schematic designator U8)
U8C "TL331IDBVR" DBV0005A_N 140.562,86.367 r90 top (schematic designator U8)
U8D "TL331IDBVR" DBV0005A_N 180.423,85.921 r90 top (schematic designator U8)
U9A "OPA180IDR" D0008A_N 36.903,104.074 r90 top (schematic designator U9)
U9B "OPA180IDR" D0008A_N 71.739,104.474 r90 top (schematic designator U9)
U9C "OPA180IDR" D0008A_N 144.539,104.474 r90 top (schematic designator U9)
U9D "OPA180IDR" D0008A_N 184.399,104.028 r90 top (schematic designator U9)
U10 "LM5060Q1MM/NOPB" DGS0010A_N 110.901,56.406 r270 bottom
U11 "UA78L09ACD" D0008A_N 110.245,136.195 r0 top
U12 "TM4C123GH6PMIR" PM0064A_L 159.485,198.15 r0 top
U13 "TLV2711CDBVT" DBV0005A_M 103.671,180.909 r0 top
U14 "TLV274CPW" PW0014A_M 28.029,200.422 r90 top
U15A "OPA2180IDGKR" DGK0008A_N#1 51.459,104.674 r90 top (schematic designator U15)
U15B "OPA2180IDGKR" DGK0008A_N#1 86.295,105.074 r90 top (schematic designator U15)
U15C "OPA2180IDGKR" DGK0008A_N#1 159.095,105.074 r90 top (schematic designator U15)
U15D "OPA2180IDGKR" DGK0008A_N#1 198.956,104.628 r90 top (schematic designator U15)
U16 "MUX36D04IPWR" PW0016A_N 34.888,201.523 r0 top value=Value
U17 "THS4524IDBT" DBT0038A_M 210.7,32.1 r0 top
U18 "SN65HVD233DR" D0008A_M 168.002,183.006 r0 top
U19A "1655" ADA-RGB-1655_V 244.9,67.5 r0 top (schematic designator U19)
U19B "1655" ADA-RGB-1655_V 244.9,85.6 r0 top (schematic designator U19)
U19C "1655" ADA-RGB-1655_V 244.9,103.8 r0 top (schematic designator U19)
U19D "1655" ADA-RGB-1655_V 244.9,122 r0 top (schematic designator U19)
U20 "CD143A-SR70" SOT143B 126.755,201.35 r90 top
U21 "ADS131A04IPBSR" PBS0032A_L 116.987,200.55 r0 top
U22 "TI-REF5025DGK8" DGK0008A_N#2 134.371,201.35 r90 top
U23 "CD143A-SR70" SOT143B 122.947,201.35 r90 top
U24 "CD143A-SR70" SOT143B 138.179,201.35 r90 top
U25 "TPD2E007DCKR" DCK0003A_M 169.539,174.142 r0 top
U26 "TPD4S012DRYR" DRY0006A 178.224,175.265 r90 top
U27 "TLV2711CDBVT" DBV0005A_M 77.905,202.661 r0 top
U28 "24AA256-I/ST" TSSOP-8 151.565,182.234 r90 top
U29 "TLV274CPW" PW0014A_M 59.578,200.785 r90 top
U30A "LM5106MM/NOPB" DGS0010A_N 28.354,96.963 r90 top (schematic designator U30)
U30B "LM5106MM/NOPB" DGS0010A_N 63.19,97.363 r90 top (schematic designator U30)
U30C "LM5106MM/NOPB" DGS0010A_N 135.99,97.363 r90 top (schematic designator U30)
U30D "LM5106MM/NOPB" DGS0010A_N 175.85,96.917 r90 top (schematic designator U30)
U31A "TL594CPWR" PW0016A_M 42.805,96.664 r0 top (schematic designator U31)
U31B "TL594CPWR" PW0016A_M 77.641,97.064 r0 top (schematic designator U31)
U31C "TL594CPWR" PW0016A_M 150.441,97.064 r0 top (schematic designator U31)
U31D "TL594CPWR" PW0016A_M 190.301,96.619 r0 top (schematic designator U31)
U32A "LM5060Q1MM/NOPB" DGS0010A_N 32.512,96.963 r90 top (schematic designator U32)
U32B "LM5060Q1MM/NOPB" DGS0010A_N 67.348,97.363 r90 top (schematic designator U32)
U32C "LM5060Q1MM/NOPB" DGS0010A_N 140.148,97.363 r90 top (schematic designator U32)
U32D "LM5060Q1MM/NOPB" DGS0010A_N 180.008,96.917 r90 top (schematic designator U32)
U33A "OPA2180IDGKR" DGK0008A_N#1 36.695,96.963 r90 top (schematic designator U33)
U33B "OPA2180IDGKR" DGK0008A_N#1 71.531,97.363 r90 top (schematic designator U33)
U33C "OPA2180IDGKR" DGK0008A_N#1 144.331,97.363 r90 top (schematic designator U33)
U33D "OPA2180IDGKR" DGK0008A_N#1 184.191,96.917 r90 top (schematic designator U33)
U34 "CD143A-SR70" SOT143B 173.2,174.517 r0 top
U35 "TPD4E002DRL2" DRL0005A_N 240.8,43.3 r0 top
U36 "TPD4E002DRL2" DRL0005A_N 235,43.3 r0 top
U37A "TPD4E002DRLR" DRL0005A_L 207.8,33.7 r90 top (schematic designator U37)
U37B "TPD4E002DRLR" DRL0005A_L 207.8,39.3 r90 top (schematic designator U37)
U37C "TPD4E002DRLR" DRL0005A_L 207.8,45 r90 top (schematic designator U37)
U37D "TPD4E002DRLR" DRL0005A_L 207.8,50.7 r90 top (schematic designator U37)
U38 "TPD4E002DRLR" DRL0005A_L 207.5,27.7 r0 top
V-5 "Pogo Pad" PogoPad 110.42,125.124 r90 top
VREF_ADC "Pogo Pad" PogoPad 122.515,167.561 r90 top
Y1 "XTAL_4P_13_G24" CTS_407 109.978,199.95 r0 top
Y2 "ABM3-25.000MHZ-D2Y-T" XTAL_ABM3 175.363,184.169 r0 top
Y3 "SSPT7F-7PF20-R" Seiko_SSP-T 190.15,200.65 r0 top

## Footprints (in the part's own frame and the unit in brackets; to place one, negate y for a bottom-side part, rotate by r counter-clockwise, add the part's x,y. Pads: shape width x height; smd on the part's side, far side on the other; paste and mask are expansions set on the pad)
0603 [mm]
  rect 1x0.95 smd: 1(-0.8,0) 2(0.8,0)
  silkscreen extent -1.52,-0.69 1.52,0.69, body extent -0.87,-0.47 0.87,0.47, height 0.85
0603C [mm]
  rect 0.8x0.8 smd paste-10: 1(-0.8,0) 2(0.8,0)
  silkscreen extent -1.45,-0.65 1.45,0.65, body extent -0.8,-0.4 0.8,0.41, height 1.02
0603L [mm]
  rect 0.8x0.85 smd: 1(-0.7,0) 2(0.7,0)
  silkscreen extent -0.07,-0.33 0.07,0.33, body extent -0.87,-0.47 0.87,0.47, height 1
0603R [mm]
  rect 0.8x0.8 smd paste-10: 1(-0.8,0) 2(0.8,0)
  silkscreen extent -1.45,-0.65 1.45,0.65, body extent -0.8,-0.4 0.8,0.4, height 0.45
0805_HV [mil]
  rect 50x63 smd: 1(-40,0) 2(40,0)
  silkscreen extent -74,-40 74,40, body extent -43,-29 43,29, height 43
1206 [mm]
  rect 1.3x1.85 smd: 1(-1.45,0) 2(1.45,0)
  silkscreen extent -2.4,-1.21 2.4,1.21, body extent -1.7,-0.9 1.7,0.9, height 1.35
1206_190 [mm]
  rect 1.1x1.6 smd: 1(-1.7,0) 2(1.7,0)
  silkscreen extent -0.9,-1 0.9,1, body extent -1.75,-0.95 1.75,0.95, height 1.9
1206L [mm]
  rect 1.1x1.75 smd: 1(-1.35,0) 2(1.35,0)
  silkscreen extent -0.4,-0.77 0.4,0.77, body extent -1.7,-0.9 1.7,0.9, height 1.35
1206R [mm]
  rect 1.6x1.6 smd: 1(-1.7,0) 2(1.7,0)
  silkscreen extent -2.8,-1.1 2.8,1.1, body extent -1.55,-0.8 1.55,0.8, height 0.55
1210_270 [mm]
  rect 1.3x2.7 smd: 1(-1.45,0) 2(1.45,0)
  silkscreen extent -2.32,-1.57 2.32,1.57, body extent -1.7,-1.35 1.7,1.35, height 2.7
1210M [mm]
  rect 1.5x2.8 smd: 1(-1.55,0) 2(1.55,0)
  silkscreen extent -2.75,-1.85 2.75,1.85, body extent -1.7,-1.35 1.7,1.35, height 1.35
2220_250 [mm]
  rect 1.6x5.3 smd: 1(-2.6,0) 2(2.6,0)
  silkscreen extent -3.69,-2.94 3.69,2.94, body extent -2.95,-2.62 2.95,2.62, height 2.5
2220_280 [mm]
  rect 1.6x5.3 smd: 1(-2.6,0) 2(2.6,0)
  silkscreen extent -3.69,-2.94 3.69,2.94, body extent -2.95,-2.62 2.95,2.62, height 2.8
ADA-RGB-1655_V [mm] "SMD, 4-Leads, Body 5x5mm"
  rect 1.5x0.9 smd: 1(-2.45,1.65) 2(-2.45,-1.65) 3(2.45,-1.65) 4(2.45,1.65)
  silkscreen extent -3.87,-2.5 2.5,2.5, body extent -2.7,-2.5 2.7,2.5, height 1.68
CAPC1206(3216)190_N [mm] "Chip Capacitor, Body 3.2x1.6mm, Height 1.9mm, IPC Medium Density"
  rect 1.15x1.8 smd: 1(-1.5,0) 2(1.5,0)
  silkscreen extent -0.55,-0.8 0.55,0.8, body extent -1.7,-0.9 1.7,0.9, height 1.9
CAPC2013X145X20ML20 [mm] "Chip Capacitor, 2-Leads, Body 2.20x1.45mm, IPC Low Density"
  rect 0.95x1.55 smd: 1(-1.175,0) 2(1.175,0)
  silkscreen extent -0.3,-0.67 0.3,0.67, body extent -1.1,-0.72 1.1,0.72, height 1.45
CAPSMT_62_F12 [mm]
  rect 4.4x1.9 smd: 1(-4.35,0) 2(4.35,0)
  silkscreen extent -5.25,-5.25 5.25,5.25, body extent -5.25,-5.25 5.25,5.25, height 12.71
CAPSMT_62_JA0 [mm]
  rect 4.4x2.2 smd: 1(-4.45,0) 2(4.45,0)
  silkscreen extent -5.25,-5.25 5.25,5.25, body extent -5.25,-5.25 5.25,5.25, height 10.5
CTS_407 [mm]
  rect 1.4x2.2 smd: 1(-1.27,3.2) 2(-1.27,-3.2) 3(1.27,-3.2) 4(1.27,3.2)
  silkscreen extent -2.65,-3.6 2.6,4.15, body extent -2.6,-3.6 2.6,3.6, height 1.3
D0008A_M [mm] "SOIC, 8-Leads, Body 5x4mm, Pitch 1.27mm, IPC Low Density"
  rrect15% 1.65x0.65 smd: 1(-2.825,1.905) 2(-2.825,0.635) 3(-2.825,-0.635) 4(-2.825,-1.905) 5(2.825,-1.905) 6(2.825,-0.635) 7(2.825,0.635) 8(2.825,1.905)
  silkscreen extent -2.95,-2.5 1.6,2.9, body extent -3,-2.45 3,2.45, height 1.63
D0008A_N [mm]
  oval 2.2x0.6 smd: 1(-2.4,1.905) 2(-2.4,0.635) 3(-2.4,-0.635) 4(-2.4,-1.905) 5(2.4,-1.905) 6(2.4,-0.635) 7(2.4,0.635) 8(2.4,1.905)
  silkscreen extent -2.52,-2.5 0.9,2.88, body extent -2,-2.5 2,2.5, height 1.75
DBT0038A_M [mm] "SOP, 38-Leads, Body 9.8x4.5mm, Pitch 0.5mm, IPC Low Density"
  rrect33% 1.6x0.3 smd: 1(-3.05,4.5) 2(-3.05,4) 3(-3.05,3.5) 4(-3.05,3) 5(-3.05,2.5) 6(-3.05,2) 7(-3.05,1.5) 8(-3.05,1) 9(-3.05,0.5) 10(-3.05,0) 11(-3.05,-0.5) 12(-3.05,-1) 13(-3.05,-1.5) 14(-3.05,-2) 15(-3.05,-2.5) 16(-3.05,-3) 17(-3.05,-3.5) 18(-3.05,-4) 19(-3.05,-4.5) 20(3.05,-4.5) 21(3.05,-4) 22(3.05,-3.5) 23(3.05,-3) 24(3.05,-2.5) 25(3.05,-2) 26(3.05,-1.5) 27(3.05,-1) 28(3.05,-0.5) 29(3.05,0) 30(3.05,0.5) 31(3.05,1) 32(3.05,1.5) 33(3.05,2) 34(3.05,2.5) 35(3.05,3) 36(3.05,3.5) 37(3.05,4) 38(3.05,4.5)
  silkscreen extent -3.17,-4.9 1.85,5.35, body extent -3.21,-4.85 3.21,4.85, height 1.2
DBV0005A_M [mm] "SOT23, 5-Leads, Body 3.05x1.75mm, Pitch 0.95mm, IPC Low Density"
  rrect15% 1.2x0.65 smd: 1(-1.475,0.95) 2(-1.475,0) 3(-1.475,-0.95) 4(1.475,-0.95) 5(1.475,0.95)
  silkscreen extent -1.6,-1.55 0.5,1.95, body extent -1.42,-1.46 1.42,1.46, height 1.08
DBV0005A_N [mm]
  rrect17% 1x0.6 smd: 1(-1.375,0.95) 2(-1.375,0) 3(-1.375,-0.95) 4(1.375,-0.95) 5(1.375,0.95)
  silkscreen extent -1.63,-1.55 0.38,1.55, body extent -1.42,-1.46 1.42,1.46, height 1.09
DBV0006A_M [mm]
  rrect15% 1.2x0.65 smd: 1(-1.475,0.95) 2(-1.475,0) 3(-1.475,-0.95) 4(1.475,-0.95) 5(1.475,0) 6(1.475,0.95)
  silkscreen extent -1.83,-1.55 0.38,1.55, body extent -1.42,-1.46 1.42,1.46, height 1.12
DBV0006A_N [mm]
  rect 1x0.6 smd paste+0 mask+0.051: 1(-1.375,0.95) 2(-1.375,0) 3(-1.375,-0.95) 4(1.375,-0.95) 5(1.375,0) 6(1.375,0.95)
  silkscreen extent -1.68,-1.55 0.5,1.55, body extent -1.4,-1.45 1.4,1.45, height 1.5
DCK0003A_M [mm] "SOT23, 3-Leads, Body 2.15x1.4mm, Pitch 0.65mm, IPC Low Density"
  rrect22% 1.05x0.45 smd: 1(-1.225,0.65) 2(-1.225,-0.65) 3(1.225,0)
  silkscreen extent -1.35,-1.1 0.7,1.55, body extent -0.7,-1.07 0.7,1.08, height 1.1
DGK0008A_N#1 [mm] "TSOP, 8-Leads, Body 3.1x3.1mm, Pitch 0.65mm, IPC Medium Density"
  rrect22% 1.35x0.45 smd: 1(-2.225,0.975) 2(-2.225,0.325) 3(-2.225,-0.325) 4(-2.225,-0.975) 5(2.225,-0.975) 6(2.225,-0.325) 7(2.225,0.325) 8(2.225,0.975)
  silkscreen extent -2.35,-1.55 1.15,1.9, body extent -2.45,-1.5 2.45,1.5, height 0.94
DGK0008A_N#2 [mm]
  oval 1.35x0.45 smd: 1(-2.225,0.975) 2(-2.225,0.325) 3(-2.225,-0.325) 4(-2.225,-0.975) 5(2.225,-0.975) 6(2.225,-0.325) 7(2.225,0.325) 8(2.225,0.975)
  silkscreen extent -2.75,-1.55 0.95,1.55, body extent -2.45,-1.5 2.45,1.5, height 0.96
DGS0010A_N [mm] "SOP, 10-Leads, Body 3.1x3.1mm, Pitch 0.5mm, IPC Medium Density"
  rrect33% 1.35x0.3 smd: 1(-2.225,1) 2(-2.225,0.5) 3(-2.225,0) 4(-2.225,-0.5) 5(-2.225,-1) 6(2.225,-1) 7(2.225,-0.5) 8(2.225,0) 9(2.225,0.5) 10(2.225,1)
  silkscreen extent -2.35,-1.55 1.15,1.87, body extent -2.45,-1.5 2.45,1.5, height 0.94